# Altium PCB mutiADC_STM.PcbDoc (part 1 of 2) (continued)
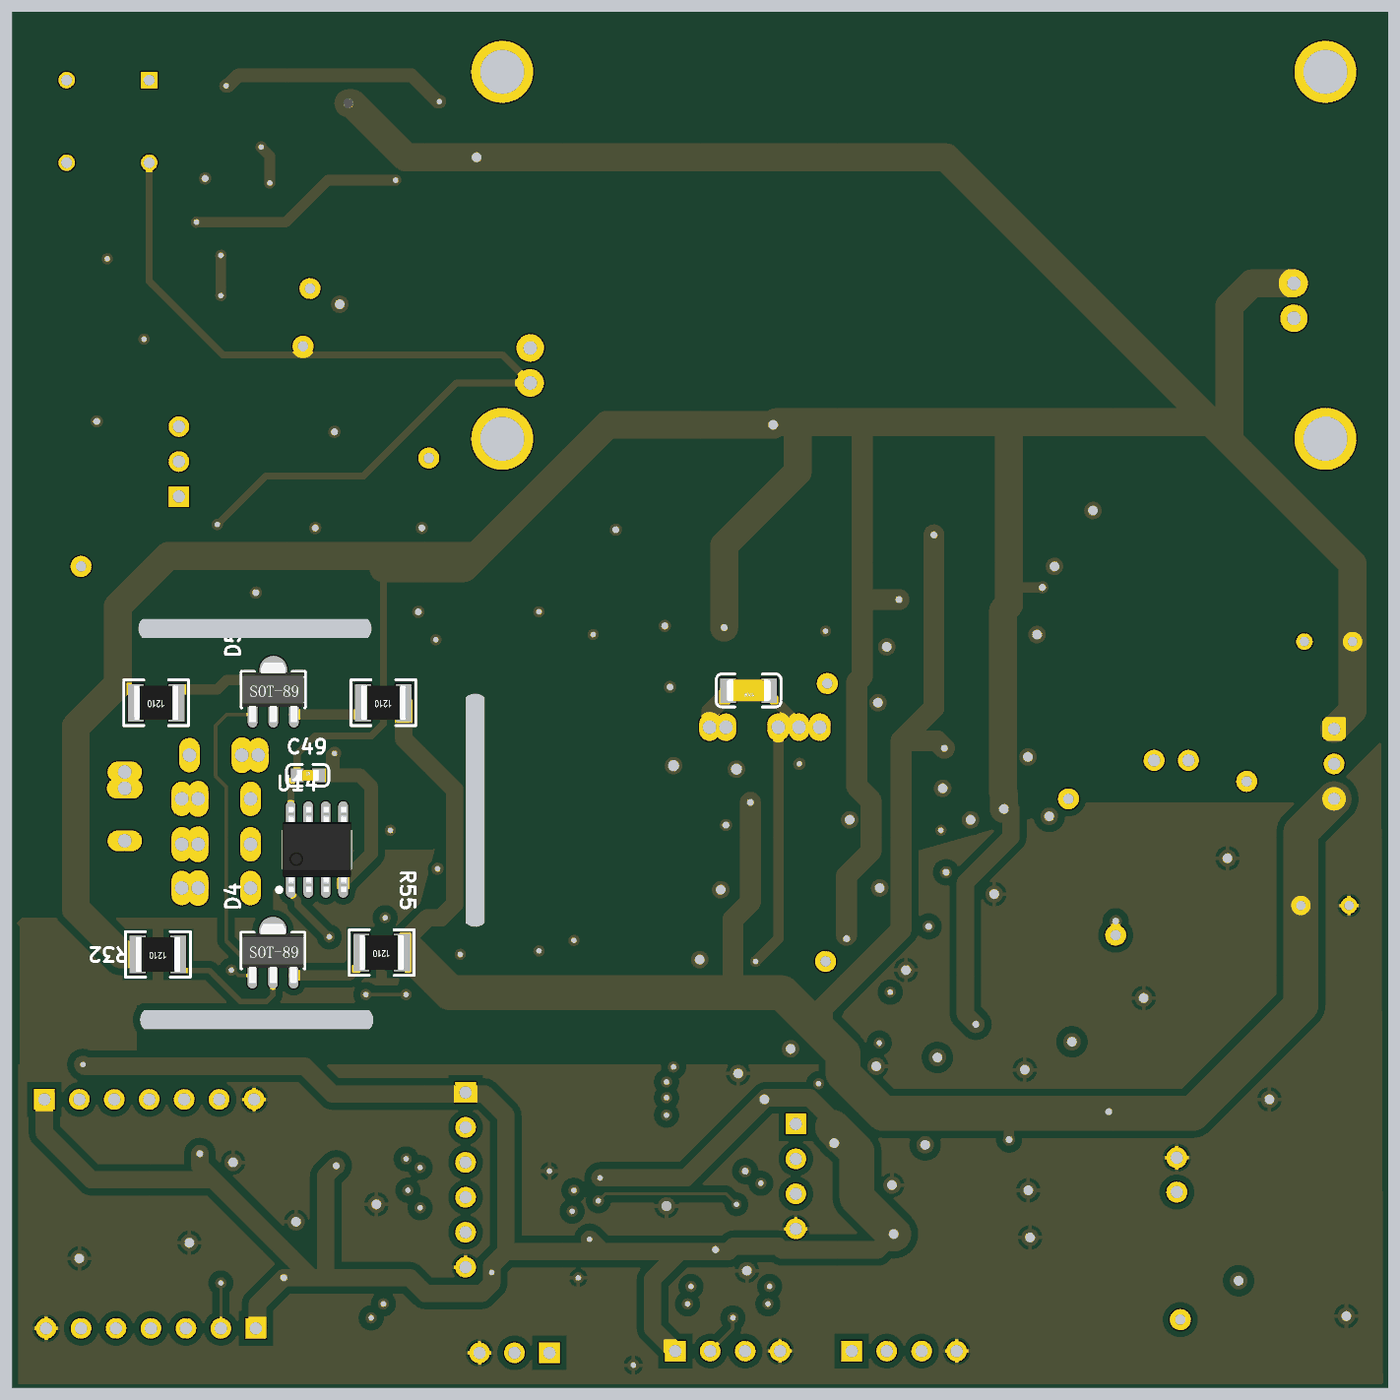
[diagram p6: 3D render of the assembled board from below, using the file's embedded part models]

## Layer stack, top to bottom
Top Solder: solder mask 0.4, Solder Resist, Dk 3.5
Top Layer: signal copper 1.4
Dielectric 2: prepreg 2.8, PP-006, Dk 4.1
Layer 1: signal copper 1.378
Dielectric 1: dielectric 12.6, FR-4, Dk 4.8
Layer 2: signal copper 1.378
Dielectric 3: prepreg 2.8, PP-006, Dk 4.1
Bottom Layer: signal copper 1.4
Bottom Solder: solder mask 0.4, Solder Resist, Dk 3.5

## Board outline
0,0 3937.01,0 3937.01,3937.01 0,3937.01
cut-out: 3560,1025 ccw(c3532.5,1052.5) 3560,1080 2915,1080 ccw(c2942.5,1052.5) 2915,1025
cut-out: 3565,2145 ccw(c3537.5,2172.5) 3565,2200 2920,2200 ccw(c2947.5,2172.5) 2920,2145
cut-out: 2585,1330 ccw(c2612.5,1357.5) 2640,1330 2640,1975 ccw(c2612.5,1947.5) 2585,1975

## Design rules (kind name [scope] priority, off if disabled: settings)
Clearance Clearance_1 [All vs InPolygon] p1: gap=20 ignorepadtopadclearanceinfootprint=FALSE
Clearance [All] p2: gap=6 ignorepadtopadclearanceinfootprint=FALSE
HoleSize [All] p1: absolutevalues=TRUE maxlimit=1000 minlimit=1 maxpercent=80.000 minpercent=20.000
HoleToHoleClearance [All] p1: gap=6 allowstackedmicrovias=TRUE
MinimumSolderMaskSliver [All] p1: minsoldermaskwidth=0
PolygonConnect [All] p1: connectstyle=Relief reliefconductorwidth=10 reliefentries=4 polygonreliefangle="90 Angle" airgapwidth=10
RoutingVias [All] p1: holewidth=18 width=32 viastyle="Through Hole" minholewidth=15 minwidth=32 maxholewidth=28 maxwidth=50
SilkToSilkClearance [All] p1: silktosilkclearance=0
SilkToSolderMaskClearance [IsPad] p1: minsilkscreentomaskgap=0 clearancetoexposedcopper=TRUE
SolderMaskExpansion [All] p1: expansion=4 istentingtop=FALSE
Width [All] p1: maxlimit=1000 minlimit=7 preferedwidth=15
25 further rules are at their usual default settings.

## Components (designator, comment, footprint, x,y, rotation, side; value= is the part's Value field where it differs from the comment)
1k "10k" LC-0603_R 1325,2140 r0 top value=1K
C1 "104" LC-0603_C 1710,1665 r180 top
C2 "1n" res_381_L 1745,1890 r0 top
C3 "1n" LC-1206_C 1830,1995 r0 bottom
C4 "10n" LC-0805_C 3350,2680 r90 top
C5 "104" LC-0603_C 3080,2725 r270 top
C6 "104" LC-0603_C 3190,410 r90 top
C7 "104" LC-0603_C 3755,2730 r270 top
C8 "104" LC-0603_C 1595,1355 r0 top
C9 "104" LC-0603_C 1360,970 r0 top
C12 "104" LC-0603_C 2960,1790 r90 top
C13 "1n" LC-0603_C 2950,405 r90 top
C14 "104" LC-0603_C 2800,1415 r270 top
C15 "104" LC-0603_C 2960,565 r270 top
C16 "10n" LC-0805_C 2855,2465 r90 top
C17 "104" LC-0603_C 1450,2220 r270 top
C18 "104" LC-0603_C 1775,2455 r0 top
C19 "104" LC-0603_C 2989.68,2385 r180 top
C20 "3.3n" LC-0603_C 2910,3275 r0 top
C21 "104" LC-0603_C 2300,2450 r180 top
C22 "104" LC-0603_C 3555,2390 r0 top
C23 "270" CAP3.5x8MM 102.2,2135 r0 top
C24 "270" CAP3.5x8MM 112.2,1380 r0 top
C25 "1n" LC-0805_C 1820,1990 r0 top
C26 "1n" LC-0805_C 1815.55,2080 r0 top
C27 "3.3n" LC-0603_C 3545,2945 r0 top
C28 "470p" LC-0805_C 1960,1670.55 r270 top
C29 "1n" LC-0603_C 3445,3640 r270 top
C30 "104" LC-0603_C 2015,2205 r270 top
C31 "200p" LC-0603_C 2055,1605 r270 top
C33 "1u" LC-0805_C 436.76,2087.33 r90 top
C34 "270" CAP2.5_65 615,1795 r180 top
C36 "1u" LC-0805_C 505,875 r0 top
C37 "270" CAP2.5_65 605,615 r90 top
C38 "104" LC-0603_C 1159.68,690 r0 top
C39 "105" LC-0603_C 2420,340 r270 top
C40 "104" LC-0603_C 1870,405 r270 top
C41 "104" LC-0603_C 1290,1200 r0 top
C42 "104" LC-0603_C 1195,1535 r180 top
C43 "1u" LC-1210_C 545,1140 r0 top
C44 "10u" LC-1210_C 631.93,1510 r180 top
C45 "104" LC-0603_C 2220,345 r270 top
C46 "104" LC-0603_C 2320,615 r0 top
C47 "104" LC-0603_C 1435,1850 r90 top
C48 "104" LC-0603_C 1045,1735 r90 top
C49 "104" LC-0603_C 3091.6,1752.21 r180 bottom
C50 "470n" LC-0603_C 2475.32,1145 r180 top
C51 "10n" LC-0805_C 2082.6,1197.47 r0 top
C52 "104" LC-0603_C 1935,795 r90 top
C53 "2.2u" LC-0603_C 2000,795.32 r90 top
C55 "1n" LC-0603_C 3880,3650 r270 top
C58 "104" LC-0603_C 705,1330 r270 top
C90 "104" LC-0603_C 3400,585 r270 top
C95 "104" LC-0603_C 3330,3590 r90 top
C96 "104" LC-0603_C 2715,3585 r90 top
C97 "104" LC-0603_C 1140,345 r0 top
C98 "104" LC-0603_C 1355,625 r0 top
D1 "BAT54S" LC-SOT-23(SOT-23-3) 1380,1410 r270 top
D2 "5.1V" SOD-123 2925,3395 r0 top
D3 "2.7V" SOD-123 3129.13,3395 r0 top
D4 "2SC2873" LC-SOT-89(SOT-89-3) 3190.94,1180 r270 bottom
D5 "2SC2873" LC-SOT-89(SOT-89-3) 3190,1926.57 r270 bottom
D6 "3.6V" LC-DO-213AA 260,160 r180 top
D7 "5.6V" LC-DO-213AA 855,2035 r90 top
D10 "BAT54S" LC-SOT-23(SOT-23-3) 1185,2035 r0 top
L1 "LGONG" LM4 3545,3741.22 r0 top
P1 "Header 7" HDR1X7 3240,170 r0 top
P2 "Header 3" HDR1X3 2400,100 r0 top
P3 "Header 3" HDR1X3 155,1885 r270 top
P4 "Header 7" HDR1X7 3845,825 r180 top
P5 "Header 6" HDR1X6 2640,845 r270 top
P6 "Header 4" HDR1X4 2040,105 r180 top
P7 "Header 4" HDR1X4 1535,105 r180 top
P20 "Header 4" HDR1X4 1695,755 r270 top
Q1 "MMBT3904LT1G" ONSC-SOT-23-3-318-08_V 2745,3420 r180 top
Q2 "MMBT3906LT1G" ONSC-SOT-23-3-318-08_V 3302.6,3414.37 r90 top
R1 "20k" res_381 3615,1565 r90 top value=1K
R2 "15" res_381 3255,1555 r0 top value=1K
R3 "1M" LC-0603_R 3180,565 r270 top value=1K
R4 "300" LC-0603_R 3150,2725 r270 top value=1K
R5 "2k" LC-0603_R 3825,2735 r270 top value=1K
R6 "30" LC-0603_R 2885,1790.32 r270 top value=1K
R7 "30" LC-0603_R 2865,1415 r90 top value=1K
R8 "20k" res_381 3430,1810 r180 top value=1K
R9 "20k" res_381 3255,1685 r0 top value=1K
R10 "160n" LC-0805_R 2205,1530 r0 top value=1K
R11 "10k" LC-0603_R 1545,1909.69 r270 top value=1K
R12 "1k" LC-0603_R 2800,2575 r0 top value=1K
R13 "39" LC-0603_R 1945,2205 r270 top value=1K
R14 "68" LC-0603_R 2890,3520 r0 top value=1K
R15 "100" LC-0603_R 3060,3275 r180 top value=1K
R16 "2k" LC-0603_R 2990,2320 r0 top value=1K
R17 "68" LC-0603_R 3095,3530 r0 top value=1K
R18 "1k" LC-0603_R 3695,2945 r180 top value=1K
R19 "300" LC-0603_R 3555,2325 r180 top value=1K
R20 "20k" LC-0603_R 1845,1460 r90 top value=1K
R21 "0" LC-0603_R 3530,3260 r180 top value=1K
R22 "50k" LC-0603_R 1845,1585 r90 top value=1K
R23 "100" LC-0603_R 3445,3795 r90 top value=1K
R24 "100" LC-0603_R 3880,3795.31 r90 top value=1K
R25 "1k" LC-0603_R 1555.32,750 r180 top value=1K
R26 "1k" LC-0603_R 1555,815 r0 top value=1K
R27 "10k VS 10k" HDR1x3 3460,2550 r90 top
R28 "20k" res_381 3255,1430 r0 top value=1K
R29 "60" LC-0805_R 1960,1520 r90 top value=1K
R30 "8k" LC-0603_R 1975.31,2320 r0 top value=1K
R31 "5.1k" LC-0603_R 955,610 r270 top value=1K
R32 "1.5k" LC-1210_R 3520,1240 r0 bottom value=1K
R33 "160n" LC-0805_R 2205,1440 r0 top value=1K
R34 "1k" LC-0603_R 1975,2395 r0 top value=1K
R35 "0.1" LC-1206_R 830,1830 r270 top value=1K
R36 "0.1" LC-1206_R 540,365 r90 top value=1K
R37 "10k" LC-0603_R 1860,1130 r90 top value=1K
R38 "12k" LC-0603_R 1185,2140 r0 top value=1K
R39 "160n" LC-0805_R 2175,2090 r0 top value=1K
R40 "5.1k" LC-0603_R 1860,1005 r90 top value=1K
R41 "160n" LC-0805_R 2175,2000 r0 top value=1K
R42 "10k" LC-0603_R 2495,345 r270 top value=1K
R43 "1k" LC-0603_R 1450,290 r180 top value=1K
R44 "1k" LC-0603_R 1450,355 r180 top value=1K
R46 "1k" LC-0603_R 2155,135 r270 top value=1K
R47 "1k" LC-0603_R 1045,1905 r270 top value=1K
R48 "1.5k" LC-1210_R 3525,1960 r0 bottom value=1K
R50 "10M" LC-0603_R 2450,1025 r90 top value=1K
R51 "330k" LC-0603_R 2525,1025 r270 top value=1K
R53 "145k" LC-0603_R 2223.15,1282.47 r0 top value=1K
R55 "1.5k" LC-1210_R 2880,1245 r0 bottom value=1K
R56 "12k" LC-0603_R 1375,1545 r0 top value=1K
R57 "1.5k" LC-1210_R 2875,1960 r0 bottom value=1K
R58 "10k" LC-0603_R 2083.15,1282.47 r0 top value=1K
R61 "0" LC-1206_R 2204.45,1830 r180 top value=1K
R62 "0" LC-1206_R 2205,1720 r180 top value=1K
R64 "10k" LC-0603_R 955,744.69 r270 top value=1K
R65 "1k" LC-0603_R 1555,650 r180 top value=1K
R66 "1k" LC-0603_R 1559.68,575 r0 top value=1K
R67 "5.1k" LC-0603_R 955,470 r270 top value=1K
R78 "300" LC-0603_R 1620,960 r270 top value=1K
R80 "0" LC-0603_R 1020,1200 r0 top value=1K
R81 "470k" LC-0603_R 1155,1200 r180 top value=1K
R82 "100" LC-0603_R 1540,960 r270 top value=1K
R85 "0" LC-1206_R 710,2510 r180 top value=1K
R99 "0" LC-1206_R 855,2290 r270 top value=1K
U1 "ADG733" LC-TSSOP-16 2895,1595 r270 top
U2 "SN74LVC574APWR" PW0020A_L 3590,500 r90 top
U3 "AD826" LC-SOP-8_150mil 1652.36,1510 r90 top
U4 "LT1001" LC-SOIC-8_150mil 3070,2540 r270 top
U5 "LT1001" LC-SOIC-8_150mil 3690,2550 r270 top
U6 "NC7SZ04" LC-SC-70-5 3070,565 r270 top
U7 "LM334M" D0008A_L 2915,3710 r90 top
U8 "ad825" LC-SOIC-8_150mil 1640,2310 r90 top
U10 "OPA189" LC-SOIC-8_150mil 2235,2310 r90 top
U11 "REF_PCB" REF_PCB 75,2610 r0 top locked
U12 "LM7805" LC-TO-252-2 645,2010 r270 top
U13 "LM79L05" LC-SOT-89(SOT-89-3) 605.59,1320 r0 top
U14 "LM35" LC-SOP-8_150mil 3065,1540 r180 bottom
U15 "LM6361" LC-SOIC-8_150mil 1175,2320 r90 top
U16 "LM1117/LM317" LC-TO-252-2 290,730 r90 top
U17 "LT1116CS8" NSO8_N 1130,1375 r180 top
U18 "STM32F401CC" LC-QFN-48_7x7x05P 2070,565 r90 top
U19 "LM311D" LC-SOIC-8_150mil 1220,490 r270 top
U20 "LM334M" D0008A_L 3150,3710 r90 top
U21 "OPA2140AID" D0008A_N 3545,3105 r0 top
U22 "LM311D" LC-SOIC-8_150mil 1230,835 r270 top
U50 "LM358" D0008A_N 2265,1005 r270 top
U70 "ADG419" LC-SOIC-8_150mil 1240,1795 r270 top
X1 "XLAT4" SMD_2520 3100,430 r180 top

## Footprints (in the part's own frame and the unit in brackets; to place one, negate y for a bottom-side part, rotate by r counter-clockwise, add the part's x,y. Pads: shape width x height; smd on the part's side, far side on the other; paste and mask are expansions set on the pad)
CAP2.5_65 [mil]
  round 60 hole 35.43: 1(-55.12,0) 2(43.31,0)
  silkscreen extent -130,-130 130,130
CAP3.5x8MM [mm]
  round 1.2 hole 0.7: 1(0,0) 2(3.5,0)
  silkscreen extent -2.25,-4 5.75,4
D0008A_L [mm] "SOIC, 8-Leads, Body 5x4mm, Pitch 1.27mm, IPC High Density"
  rrect18% 1.25x0.55 smd: 1(-2.625,1.905) 2(-2.625,0.635) 3(-2.625,-0.635) 4(-2.625,-1.905) 5(2.625,-1.905) 6(2.625,-0.635) 7(2.625,0.635) 8(2.625,1.905)
  silkscreen extent -2.75,-2.5 1.6,2.85, body extent -3,-2.45 3,2.45, height 1.63
D0008A_N [mm] "SOIC, 8-Leads, Body 5x4mm, Pitch 1.27mm, IPC Medium Density"
  rrect17% 1.45x0.6 smd: 1(-2.725,1.905) 2(-2.725,0.635) 3(-2.725,-0.635) 4(-2.725,-1.905) 5(2.725,-1.905) 6(2.725,-0.635) 7(2.725,0.635) 8(2.725,1.905)
  silkscreen extent -2.85,-2.5 1.6,2.88, body extent -3,-2.45 3,2.45, height 1.63
HDR1X3 [mm] "Connector; Header; 3 Position"
  rect 1.5x1.5 hole 0.9: 1(0,0)
  round 1.5 hole 0.9: 2(2.54,0) 3(5.08,0)
  silkscreen extent -1.27,-1.27 6.35,1.27
HDR1x3 [mm] "Connector; Header; 3 Position"
  rect 1.5x1.5 hole 0.9: 1(0,0)
  round 1.5 hole 0.9: 2(2.54,0) 3(5.08,0)
  silkscreen extent -1.27,-1.27 6.35,1.27
HDR1X4 [mm] "Connector; Header; 4 Position"
  rect 1.5x1.5 hole 0.9: 1(0,0)
  round 1.5 hole 0.9: 2(2.54,0) 3(5.08,0) 4(7.62,0)
  silkscreen extent -1.27,-1.27 8.89,1.27
HDR1X6 [mm] "Connector; Header; 6 Position"
  rect 1.5x1.5 hole 0.9: 1(0,0)
  round 1.5 hole 0.9: 2(2.54,0) 3(5.08,0) 4(7.62,0) 5(10.16,0) 6(12.7,0)
  silkscreen extent -1.27,-1.27 13.97,1.27
HDR1X7 [mm] "Connector; Header; 7 Position"
  rect 1.5x1.5 hole 0.9: 1(0,0)
  round 1.5 hole 0.9: 2(2.54,0) 3(5.08,0) 4(7.62,0) 5(10.16,0) 6(12.7,0) 7(15.24,0)
  silkscreen extent -1.27,-1.27 16.51,1.27
LC-0603_C [mm]
  rect 0.93x0.98 smd: 1(-0.77,0) 2(0.77,0)
  silkscreen extent -1.53,-0.79 1.54,0.79, body extent -0.8,-0.4 0.8,0.4, height 0.3
LC-0603_R [mm]
  rect 0.93x0.98 smd: 1(-0.77,0) 2(0.77,0)
  silkscreen extent -1.53,-0.79 1.54,0.79, body extent -0.85,-0.4 0.85,0.4, height 0.56
LC-0805_C [mm]
  rect 1.16x1.47 smd: 1(-0.875,0) 2(0.875,0)
  silkscreen extent -1.76,-1.04 1.76,1.04, body extent -1,-0.62 1,0.62, height 0.77
LC-0805_R [mm]
  rect 1.16x1.47 smd: 1(-0.875,0) 2(0.875,0)
  silkscreen extent -1.76,-1.04 1.76,1.03, body extent -1,-0.62 1,0.63, height 0.49
LC-1206_C [mm]
  rect 1.13x1.8 smd: 1(-1.49,0) 2(1.49,0)
  silkscreen extent -2.36,-1.2 2.35,1.2, body extent -1.6,-0.81 1.6,0.79, height 1
LC-1206_R [mm]
  rect 1.13x1.8 smd: 1(-1.49,0) 2(1.49,0)
  silkscreen extent -2.36,-1.2 2.35,1.2, body extent -1.7,-0.86 1.65,0.87, height 0.85
LC-1210_C [mm]
  rect 1.16x2.72 smd: 1(-1.475,0) 2(1.475,0)
  silkscreen extent -2.36,-1.66 2.35,1.66, body extent -1.6,-1.25 1.6,1.25, height 1.3
LC-1210_R [mm]
  rect 1.16x2.72 smd: 1(-1.475,0) 2(1.475,0)
  silkscreen extent -2.35,-1.66 2.36,1.66, body extent -1.6,-1.25 1.6,1.25, height 0.6
LC-DO-213AA [mm]
  rect 1.25x1.85 smd: 1(1.7,0) 2(-1.7,0)
  silkscreen extent -1.9,-1.25 1.9,1.25
LC-QFN-48_7x7x05P [mm]
  rect 5.3x5.3 smd mask+0.051: 0(0,0)
  oval 0.28x0.8 smd mask+0.051: 1(-2.75,-3.5) 2(-2.25,-3.5) 3(-1.75,-3.5) 4(-1.25,-3.5) 5(-0.75,-3.5) 6(-0.25,-3.5) 7(0.25,-3.5) 8(0.75,-3.5) 9(1.25,-3.5) 10(1.75,-3.5) 11(2.25,-3.5) 12(2.75,-3.5) 25(2.75,3.5) 26(2.25,3.5) 27(1.75,3.5) 28(1.25,3.5) 29(0.75,3.5) 30(0.25,3.5) 31(-0.25,3.5) 32(-0.75,3.5) 33(-1.25,3.5) 34(-1.75,3.5) 35(-2.25,3.5) 36(-2.75,3.5)
  oval 0.8x0.28 smd mask+0.051: 13(3.5,-2.75) 14(3.5,-2.25) 15(3.5,-1.75) 16(3.5,-1.25) 17(3.5,-0.75) 18(3.5,-0.25) 19(3.5,0.25) 20(3.5,0.75) 21(3.5,1.25) 22(3.5,1.75) 23(3.5,2.25) 24(3.5,2.75) 37(-3.5,2.75) 38(-3.5,2.25) 39(-3.5,1.75) 40(-3.5,1.25) 41(-3.5,0.75) 42(-3.5,0.25) 43(-3.5,-0.25) 44(-3.5,-0.75) 45(-3.5,-1.25) 46(-3.5,-1.75) 47(-3.5,-2.25) 48(-3.5,-2.75)
  silkscreen extent -3.73,-4.4 3.72,3.72
LC-SC-70-5 [mm]
  rect 1x0.42 smd mask+0.051: 1(0.97,-0.65) 2(0.97,0) 3(0.97,0.65) 4(-0.97,0.65) 5(-0.97,-0.65)
  silkscreen extent -0.2,-1 0.2,1, body extent -1.2,-1.1 1.2,1.1, height 1.1
LC-SOIC-8_150mil [mm]
  oval 0.7x1.8 smd: 1(-1.905,-2.6) 2(-0.635,-2.6) 3(0.635,-2.6) 4(1.905,-2.6) 5(1.905,2.6) 6(0.635,2.6) 7(-0.635,2.6) 8(-1.905,2.6)
  silkscreen extent -2.9,-3.05 2.4,1.4
LC-SOP-8_150mil [mm]
  oval 0.7x1.8 smd: 1(-1.905,-2.6) 2(-0.635,-2.6) 3(0.635,-2.6) 4(1.905,-2.6) 5(1.905,2.6) 6(0.635,2.6) 7(-0.635,2.6) 8(-1.905,2.6)
  silkscreen extent -2.9,-3.08 2.4,1.4, body extent -2.5,-3.1 2.5,3.1, height 1.75
LC-SOT-23(SOT-23-3) [mm]
  rect 1.25x0.7 smd: 1(1.25,-0.95) 2(1.25,0.95) 3(-1.25,0)
  silkscreen extent -0.65,-1.46 0.9,1.46, body extent -1.5,-1.5 1.5,1.5, height 1.3
LC-SOT-89(SOT-89-3) [mm]
  oval 1.9x0.7 smd: 1(0,-1.5) 3(0,1.5)
  oval 3.5x2 smd: 2(-2.5,0)
  oval 2.1x0.7 smd: 2(-0.1,0)
  silkscreen extent -3.1,-2.3 -0.5,2.3, body extent -3.75,-2.25 0.55,2.25, height 1.51
LC-TO-252-2 [mm]
  rect 2.2x1.2 smd: 1(0,-2.361) 3(-0.004,2.361)
  rect 6.5x6 smd: 2(-7,0)
  silkscreen extent -10.75,-3.57 -1.5,3.57, body extent -9.74,-3.27 0.2,3.27, height 2.44
LC-TSSOP-16 [mm]
  oval 0.32x1.7 smd: 1(-2.275,-2.85) 2(-1.625,-2.85) 3(-0.975,-2.85) 4(-0.325,-2.85) 5(0.325,-2.85) 6(0.975,-2.85) 7(1.625,-2.85) 8(2.275,-2.85) 9(2.275,2.85) 10(1.625,2.85) 11(0.975,2.85) 12(0.325,2.85) 13(-0.325,2.85) 14(-0.975,2.85) 15(-1.625,2.85) 16(-2.275,2.85)